# Altium PCB edison_breakout3.PcbDoc (part 1 of 3) (continued)
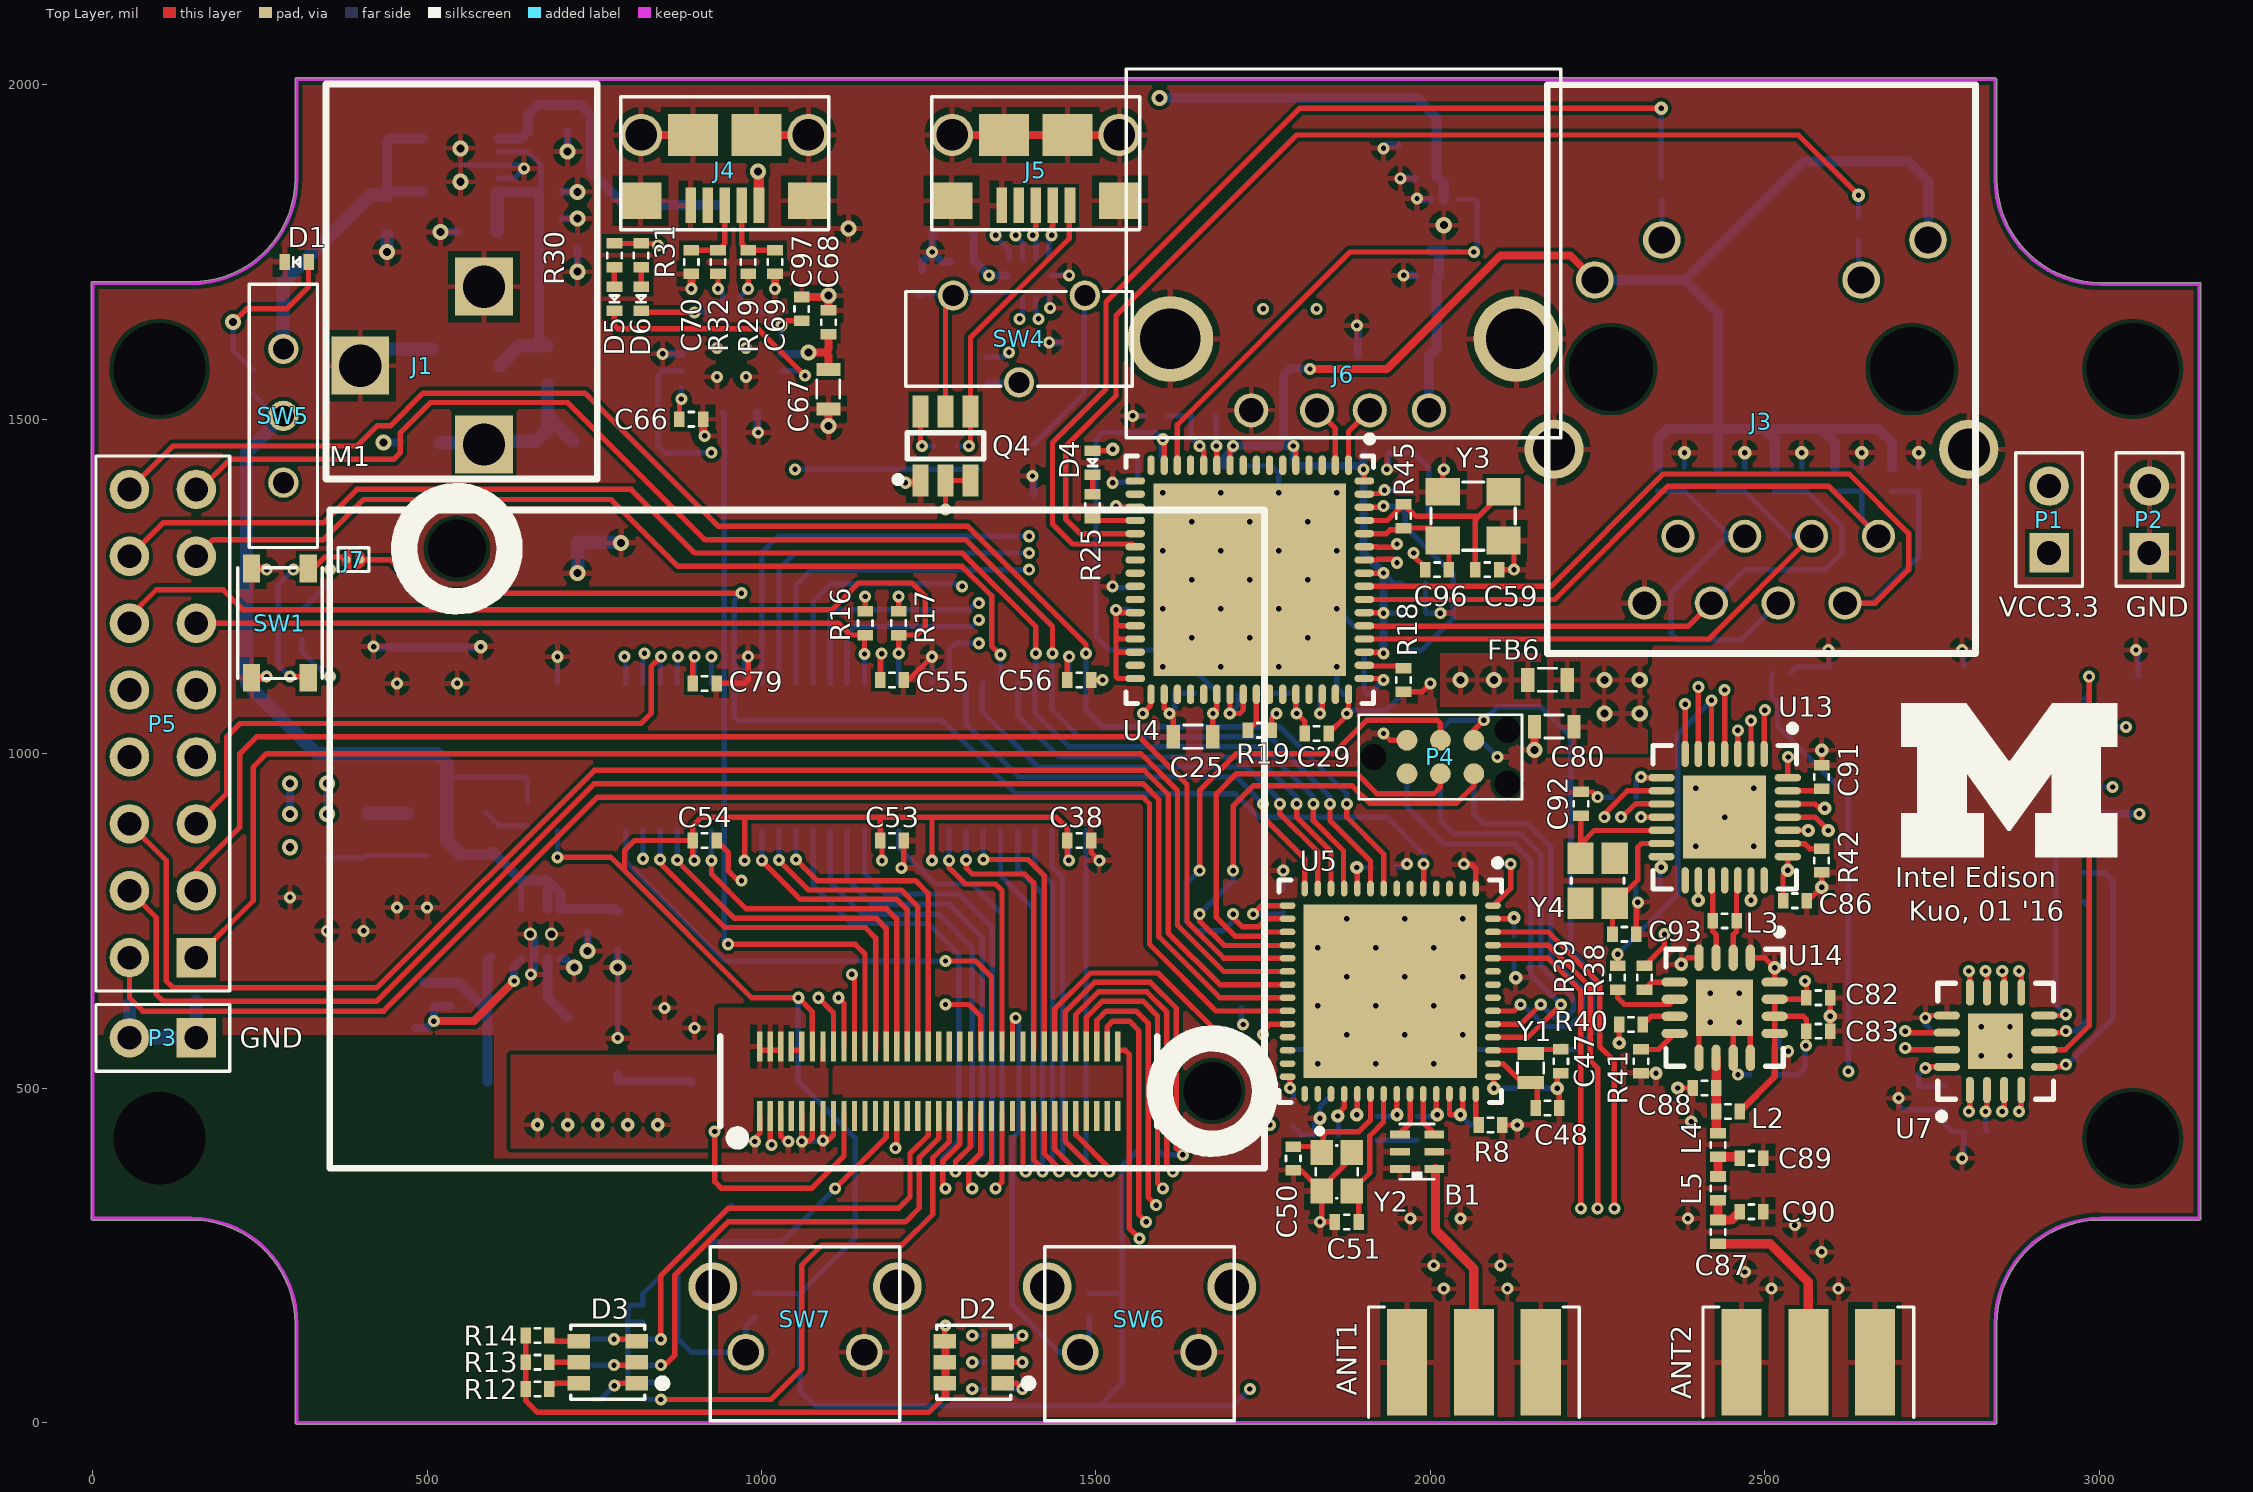
[diagram p0: Top Layer view]
## Components (designator, comment, footprint, x,y, rotation, side; value= is the part's Value field where it differs from the comment) (continued)
C79 "Ceramic capacitor" 0402 915,1105 r0 top
C80 "Ceramic capacitor" 0603 2185,1040 r180 top
C81 "Ceramic capacitor" 0402 2290,935 r180 bottom
C82 "Ceramic capacitor" 0402 2580,635 r0 top
C83 "Ceramic capacitor" 0402 2580,585 r0 top
C84 "Ceramic capacitor" 0402 2495,520 r180 bottom
C85 "Ceramic capacitor" 0402 2325,800 r180 bottom
C86 "Ceramic capacitor" 0402 2545,780 r0 top
C87 "Ceramic capacitor" 0402 2430,285 r270 top
C88 "Ceramic capacitor" 0402 2410,500 r180 top
C89 "Ceramic capacitor" 0402 2480,395 r0 top
C90 "Ceramic capacitor" 0402 2480,315 r0 top
C91 "Ceramic capacitor" 0402 2585,965 r90 top
C92 "Ceramic capacitor" 0402 2225,925 r90 top
C93 "Ceramic capacitor" 0402 2290,730 r0 top
C94 "Ceramic capacitor" 0603 350,815 r270 bottom
C95 "Ceramic capacitor" 0402 500,830 r270 bottom
C96 "Ceramic capacitor" 0402 2010,1275 r180 top
C97 "Ceramic capacitor" 0402 1060,1665 r90 top
D1 "LED, Blue" "0402 - DIODE" 305,1735 r180 top
D2 "CLY6D-FKC" PLCC6 1317.28,90 r180 top
D3 "CLY6D-FKC" PLCC6 770,90 r180 top
D4 "LED, Orange" "0402 - DIODE" 1495,1435 r270 top
D5 "LED, Green" "0402 - DIODE" 780,1680 r270 top
D6 "LED, Red" "0402 - DIODE" 820,1680 r270 top
D7 "D_SMAZ5V6-13-F" SMAZ5V1 725,1395 r90 bottom
FB1 "Ferrite Bead" 0603 620,510 r180 bottom
FB2 "Ferrite Bead" 0603 680,1580 r270 bottom
FB3 "Ferrite Bead" 0603 1790,1605 r90 bottom
FB4 "Ferrite Bead" 0603 1965,1125 r90 bottom
FB5 "Ferrite Bead" 0603 965,1820 r0 bottom
FB6 "Ferrite Bead" 0603 2175,1110 r180 top
J1 "PJ-102AH" PJ-102AH 585,1580 r0 top
J2 "2201778-1" 2201778-1 2950,930 r270 bottom
J3 "J0011D01BNL" J0011D01BNL 2495,1575 r0 top locked
J4 "micro USB-B" "MICRO USB-B" 945,1925 r180 top
J5 "micro USB-B" "MICRO USB-B" 1410,1925 r180 top
J6 "USB-A" 292303-2 1870,1620 r180 top locked
J7 "Solder Bridge" SOLDERBRIDGE 390,1290 r180 top
L1 "Chip inductor" 1210 650,610 r180 bottom
L2 "Chip inductor" 0402 2445,465 r180 top
L3 "Chip inductor" 0402 2440,750 r180 top
L4 "Chip inductor" 0402 2430,415 r90 top
L5 "Chip inductor" 0402 2430,350 r90 top
M1 "Intel Edison" "INTEL EDISON MATING" 1265,510 r0 top locked
P1 "1 x 2 header" "1x2 header" 2925,1350 r90 top
P2 "1 x 2 header" "1x2 header" 3075,1350 r90 top
P3 "1 x 2 header" "1x2 header" 105,575 r180 top
P4 "TC2030" TC2030-IDC-NLFP 2015,995 r0 top locked
P5 "2 x 8 header" "2x8 header" 105,1045 r90 top
P6 "TC2030" TC2030-IDC-NLFP 2015,995 r0 bottom
Q1 "DMN32D2LDF" SOT-353-5 785,60 r90 bottom
Q2 "DMN32D2LDF" SOT-353-5 785,150 r90 bottom
Q3 "Si2312CDS" SOT23-3 1365,1425 r180 bottom
Q4 "Si3865DDV" TSOT-23 1275,1460 r90 top
R1 "Chip resistor" 0402 240,1555 r90 bottom
R2 "Chip resistor" 0402 535,640 r270 bottom
R3 "Chip resistor" 0402 465,590 r180 bottom
R4 "Chip resistor" 0402 1350,50 r180 bottom
R5 "Chip resistor" 0402 1350,90 r180 bottom
R6 "Chip resistor" 0402 1350,130 r0 bottom
R7 "Chip resistor" 0402 1790,535 r90 bottom
R8 "Chip resistor" 0402 2090,444.8 r0 top
R9 "Chip resistor" 0402 990,175 r270 bottom
R10 "Chip resistor" 0402 1490,175 r270 bottom
R11 "Chip resistor" 0402 295,1215 r180 bottom
R12 "Chip resistor" 0402 665,50 r180 top
R13 "Chip resistor" 0402 665,90 r180 top
R14 "Chip resistor" 0402 665,130 r180 top
R15 "Chip resistor" 0402 295,1170 r180 bottom
R16 "Chip resistor" 0402 1155,1195 r270 top
R17 "Chip resistor" 0402 1205,1195 r270 top
R18 "Chip resistor" 0402 1960,1110 r90 top
R19 "Chip resistor" 0402 1745,1035 r180 top
R20 "Chip resistor" 0402 2605,1410 r270 bottom
R21 "Chip resistor" 0402 2690,1410 r270 bottom
R22 "Chip resistor" 0402 2430,1410 r270 bottom
R23 "Chip resistor" 0402 2515,1410 r270 bottom
R24 "Chip resistor" 0402 2340,1410 r270 bottom
R25 "Chip resistor" 0402 1495,1370 r270 top
R26 "Chip resistor" 0402 1660,1505 r180 bottom
R27 "Chip resistor" 0402 2640,1785 r270 bottom
R28 "Chip resistor" 0402 2345,1845 r270 bottom
R29 "Chip resistor" 0402 980,1735 r270 top
R30 "Chip resistor" 0402 780,1745 r90 top
R31 "Chip resistor" 0402 820,1745 r90 top
R32 "Chip resistor" 0402 935,1735 r270 top
R33 "Chip resistor" 0402 1465,1615 r180 bottom
R34 "Chip resistor" 0402 1335,1575 r90 bottom
R35 "Chip resistor" 0402 1275,1460 r0 bottom
R36 "Chip resistor" 0402 1240,1705 r90 bottom
R37 "Chip resistor" 0402 1980,1400 r0 bottom
R38 "Chip resistor" 0402 2320,665 r270 top
R39 "Chip resistor" 0402 2280,665 r270 top
R40 "Chip resistor" 0402 2300,595 r0 top
R41 "Chip resistor" 0402 2315,540 r270 top
R42 "Chip resistor" 0402 2585,840 r270 top
R43 "Chip resistor" 0402 650,910 r270 bottom
R44 "Chip resistor" 0402 685,1840 r0 bottom
R45 "Chip resistor" 0402 1960,1355 r270 top
R46 "Chip resistor" 0402 1578,405 r0 bottom
SW1 "PTS810" PTS810 280,1195 r270 top
SW4 "CL-SB-12C" CL-SB-12C 1385,1620 r0 top
SW5 "450301014042" 450301014042 285,1505 r90 top
SW6 "1825027-8" 1825027-8 1565,105 r0 top locked
SW7 "1825027-8" 1825027-8 1065,105 r0 top locked
U1 "LTC4413" DFN-10 550,1880 r180 bottom
U2 "TPS62065" PWSON-8 670,730 r90 bottom
U3 "LP3874" SOT150P700X180-5N 500,1035 r90 bottom
U4 "LAN9512" QFN-64 1730,1260 r270 top locked
U5 "CC2538" QFN56 1940,644.8 r270 top
U6 "TXS0108E-Q1" TSSOP-20 1090,995 r90 bottom
U7 "MAX13035E" TQFN-16 2845,570 r90 top
U8 "TXS0108E-Q1" TSSOP-20 1370,995 r90 bottom
U9 "IC_FT230XQ-R" QFN-16 955,1585 r0 bottom
U10 "TS3USB221" PUQFN-10 1400,1715 r0 bottom
U11 "AP2151" U-DFN2018-6 2020,1790 r0 bottom
U12 "TXS0108E-Q1" TSSOP-20 810,995 r90 bottom
U13 "CC2520" QFN-28 2440,905 r270 top
U14 "CC2592" QFN-16 2440,620 r270 top
Y1 "ABS05" ABS05 2150,529.8 r90 top
Y2 "FA-128" FA-128 1860,374.8 r270 top
Y3 "ABM8-25.000MHZ-B2-T" ABM8 2063.86,1355 r0 top
Y4 "NX2520SA-32.000000MHZ" NX2520SA 2250,810 r270 top

## Footprints (in the part's own frame and the unit in brackets; to place one, negate y for a bottom-side part, rotate by r counter-clockwise, add the part's x,y. Pads: shape width x height; smd on the part's side, far side on the other; paste and mask are expansions set on the pad)
"1x2 header" [mm] "1x2 header, 100 mils"
  rect 1.5x1.5 hole 0.9: 1(-1.27,0)
  round 1.5 hole 0.9: 2(1.27,0)
  silkscreen extent -2.54,-1.27 2.54,1.27, body extent -2.53,-1.26 2.53,1.26, height 8.38
"2x8 header" [mm] "2x8 header, 100 mils"
  rect 1.5x1.5 hole 0.9: 1(-8.89,-1.27)
  round 1.5 hole 0.9: 2(-8.89,1.27) 3(-6.35,-1.27) 4(-6.35,1.27) 5(-3.81,-1.27) 6(-3.81,1.27) 7(-1.27,-1.27) 8(-1.27,1.27) 9(1.27,-1.27) 10(1.27,1.27) 11(3.81,-1.27) 12(3.81,1.27) 13(6.35,-1.27) 14(6.35,1.27) 15(8.89,-1.27) 16(8.89,1.27)
  silkscreen extent -10.16,-2.54 10.16,2.54, body extent -10.16,-2.54 10.16,2.54, height 8.38
0402 [mm] "2-Leads, Body 1.00x0.50mm, IPC Medium Density"
  rect 0.4x0.6 smd: 1(-0.45,0) 2(0.45,0)
  silkscreen extent -0.1,-0.28 0.1,0.28, body extent -0.53,-0.28 0.53,0.27, height 0.4
"0402 - DIODE" [mm] "2-Leads, Body 1.00x0.50mm, IPC Medium Density"
  rect 0.4x0.6 smd: 1(-0.45,0) 2(0.45,0)
  silkscreen extent -0.13,-0.18 0.13,0.18, body extent -0.53,-0.28 0.53,0.27, height 0.4
0603 [mm] "2-Leads, Body 1.55x0.85mm, IPC Medium Density"
  rect 0.5x0.9 smd: 1(-0.75,0) 2(0.75,0)
  silkscreen extent -0.35,-0.45 0.35,0.43, body extent -0.75,-0.42 0.75,0.43, height 0.5
"0603 - Polar Marking" [mm] "2-Leads, Body 1.55x0.85mm, IPC Medium Density"
  rect 0.5x0.9 smd: 1(-0.75,0) 2(0.75,0)
  silkscreen extent -1.14,-0.51 0.35,0.51, body extent -0.75,-0.42 0.75,0.43, height 0.5
"1206 - POLAR MARKING" [mm]
  rect 1.1x1.7 smd: 1(-1.35,0) 2(1.35,0)
  silkscreen extent -2.07,-0.9 0.4,0.91, body extent -1.7,-0.9 1.7,0.9, height 1.3
1210 [mm]
  rect 1.25x2.8 smd: 1(1.525,-0.102) 2(-1.525,-0.102)
  silkscreen extent -0.5,-1.4 0.5,1.2, body extent -1.8,-1.5 1.8,1.3, height 2.8
2450BM15A0002 [mm] "Chip Array, Flat, 6-Leads, Pitch 0.65mm,  Body 2.00x1.25mm,  IPC Medium Density"
  rect 0.75x0.3 smd: 1(-0.65,0.65) 2(-0.65,0) 3(-0.65,-0.65) 4(0.65,-0.65) 5(0.65,0) 6(0.65,0.65)
  silkscreen extent -0.65,-1.05 0.65,1.05, body extent -0.67,-1.05 0.67,1.05, height 0.81
292303-2 [mm] "USB 2.0 Type A, 4 position receptacle"
  round 1.3 hole 0.92: 1(-3.25,2.71) 2(-1,2.71) 3(1,2.71) 4(3.5,2.71)
  round 3.25 hole 2.3: 5(-6.57,0) 6(6.57,0)
  silkscreen extent -8.25,-10.25 8.25,3.75, body extent -8.12,-10.25 8.12,3.75, height 7.12
1825027-8 [mm] "SWITCH TACTILE SPST-NO 0.05A 24V"
  round 1.4 hole 0.99: 1(-2.25,0) 2(2.25,0)
  round 1.85 hole 1.3: ""(-3.505,2.49) ""(3.505,2.49)
  silkscreen extent -3.6,-2.6 3.6,4, body extent -4.2,-5.85 4.2,3.99, height 7
2201778-1 [mm] "Micro SD Slot"
  rect 0.8x1.4 smd: 1(3.85,-0.7) 2(2.75,-0.7) 3(1.65,-0.7) 4(0.55,-0.7) 5(-0.55,-0.7) 6(-1.65,-0.7) 7(-2.75,-0.7) 8(-3.85,-0.7)
  rect 1.15x0.45 smd: 9(-4.815,11.125)
  rect 1.1x0.45 smd: 10(-4.84,10.465)
  rect 1.35x1.8 smd: 11(-4.74,-2.75)
  rect 0.65x2.14 smd: 12(-5.065,3.88)
  rect 0.65x1.6 smd: 13(-5.065,8.96)
  rect 0.65x1.3 smd: 14(8.835,10.9)
  rect 0.6x1.15 smd: 15(8.86,4.975)
  rect 1.16x1.5 smd: 16(8.58,-3)
  silkscreen extent -5.18,-4.95 8.86,11.25, body extent -5.17,-4.95 8.86,11.25, height 1.85
450301014042 [mm] "SPDT switch"
  round 1.15 hole 0.8: 1(0,0) 2(-2.54,0) 3(2.54,0)
  silkscreen extent -5,-1.3 5,1.3, body extent -5,-1.25 5,1.25, height 6.4
ABM8 [mm]
  rect 1.3x1.05 smd: 1(-1.15,-0.925) 2(1.15,-0.925) 3(1.15,0.925) 4(-1.15,0.925)
  silkscreen extent -1.6,-1.3 1.6,1.3, body extent -1.6,-1.3 1.6,1.3, height 0.65
ABS05 [mm] "ABS05 Crystal"
  rect 0.5x1 smd: 1(-0.55,0) 2(0.55,0)
  silkscreen extent -0.2,-0.5 0.2,0.5, body extent -0.8,-0.5 0.8,0.5, height 0.5
CL-SB-12C [mm] "SPST Slide though hole slide switch"
  round 1.15 hole 0.8: 1(-2.5,1.65) 2(2.5,1.65) C(0,-1.65)
  silkscreen extent -4.3,-1.8 4.3,1.8, body extent -4.3,-1.8 4.3,1.8, height 5.5
CONSMA003.062 [mm]
  rect 4.06x1.52 smd: 1(0,2.54) 1(0,-2.54) 2(0,0)
  rect 4.06x1.52 smd far side: 1(0,2.54) 1(0,-2.54)
  silkscreen extent -2.1,-4 2.1,4, body extent -2.06,-3.96 9.55,3.97, height 4.63
DFN-10 [mm] "QFN, 10-Leads, Body 3.00x3.00mm, Pitch 0.50mm, Thermal Pad 1.65x2.38mm, IPC Medium Density"
  oval 0.7x0.25 smd: 1(-1.425,1) 2(-1.425,0.5) 3(-1.425,0) 4(-1.425,-0.5) 5(-1.425,-1) 6(1.425,-1) 7(1.425,-0.5) 8(1.425,0) 9(1.425,0.5) 10(1.425,1)
  rect 1.65x2.38 smd: 11(0,0)
  silkscreen extent -1.8,-1.7 1.7,2.05, body extent -1.55,-1.55 1.55,1.55, height 0.75
FA-128 [mm] "Seiko Epson FA-128 Crystal"
  rect 0.95x0.85 smd: 1(-0.725,-0.575) 2(0.725,-0.575) 3(0.725,0.575) 4(-0.725,0.575)
  silkscreen extent -1.63,-0.8 1,0.8, body extent -1,-0.8 1,0.8, height 0.5
"INTEL EDISON MATING" [mm] "DF40 Series 0.4 mm Pitch, 3.0 Height, Board-to-Board connectors"
  rect 0.2x1.14 smd: 1(-6.8,-1.32) 2(-6.8,1.32) 3(-6.4,-1.32) 4(-6.4,1.32) 5(-6,-1.32) 6(-6,1.32) 7(-5.6,-1.32) 8(-5.6,1.32) 9(-5.2,-1.32) 10(-5.2,1.32) 11(-4.8,-1.32) 12(-4.8,1.32) 13(-4.4,-1.32) 14(-4.4,1.32) 15(-4,-1.32) 16(-4,1.32) 17(-3.6,-1.32) 18(-3.6,1.32) 19(-3.2,-1.32) 20(-3.2,1.32) 21(-2.8,-1.32) 22(-2.8,1.32) 23(-2.4,-1.32) 24(-2.4,1.32) 25(-2,-1.32) 26(-2,1.32) 27(-1.6,-1.32) 28(-1.6,1.32) 29(-1.2,-1.32) 30(-1.2,1.32) 31(-0.8,-1.32) 32(-0.8,1.32) 33(-0.4,-1.32) 34(-0.4,1.32) 35(0,-1.32) 36(0,1.32) 37(0.4,-1.32) 38(0.4,1.32) 39(0.8,-1.32) 40(0.8,1.32) 41(1.2,-1.32) 42(1.2,1.32) 43(1.6,-1.32) 44(1.6,1.32) 45(2,-1.32) 46(2,1.32) 47(2.4,-1.32) 48(2.4,1.32) 49(2.8,-1.32) 50(2.8,1.32) 51(3.2,-1.32) 52(3.2,1.32) 53(3.6,-1.32) 54(3.6,1.32) 55(4,-1.32) 56(4,1.32) 57(4.4,-1.32) 58(4.4,1.32) 59(4.8,-1.32) 60(4.8,1.32) 61(5.2,-1.32) 62(5.2,1.32) 63(5.6,-1.32) 64(5.6,1.32) 65(6,-1.32) 66(6,1.32) 67(6.4,-1.32) 68(6.4,1.32) 69(6.8,-1.32) 70(6.8,1.32)
  round 0 hole 2.2: ""(-18.3,20.23) ""(10.39,-0.37)
  silkscreen extent -23.13,-3.3 12.39,22.23, body extent -23.13,-3.38 12.43,21.7, height 5.31
J0011D01BNL [mm] "Pulse Electronic RJ45 Jack"
  round 1.26 hole 0.9: 1(4.445,-6.35) 2(3.175,-8.89) 3(1.905,-6.35) 4(0.635,-8.89) 5(-0.635,-6.35) 6(-1.905,-8.89) 7(-3.175,-6.35) 8(-4.445,-8.89)
  round 1.43 hole 1.02: 9(6.325,4.9) 10(3.785,3.38) 11(-3.785,4.9) 12(-6.325,3.38)
  round 2.25 hole 1.6: 13(7.875,-3.05) 14(-7.875,-3.05)
  round 0 hole 3.2: ""(-5.715,0) ""(5.715,0)
  silkscreen extent -8.13,-10.8 8.13,10.79, body extent -8.32,-10.55 8.28,10.8, height 13.57
"MICRO USB-B" [mm]
  rect 0.4x1.35 smd mask+0.1: 1(-1.3,2.675) 2(-0.65,2.675) 3(0,2.675) 4(0.65,2.675) 5(1.3,2.675)
  rect 1.6x1.4 smd mask+0.1: 6(-3.2,2.5) 6(3.2,2.5)
  round 1.6 hole 1.2: 6(-3.175,0) 6(3.175,0)
  rect 1.9x1.6 smd mask+0.1: 6(-1.2,0) 6(1.2,0)
  silkscreen extent -3.95,-1.45 3.95,3.6, body extent -3.93,-2.8 3.93,2.86, height 2.85
NX2520SA [mm] "NDK Crystal"
  rect 1.2x1 smd: 1(-0.85,-0.65) 2(0.85,-0.65) 3(0.85,0.65) 4(-0.85,0.65)
  silkscreen extent -0.1,-1 0.1,1, body extent -1.3,-1 1.3,1, height 0.65
PJ-102AH [mm] "Power Jack"
  rect 2.2x2.2 hole 1.6: 1(0,-3) 2(0,3) 3(-4.7,0)
  silkscreen extent -6,-4.3 4.3,10.7, body extent -5.75,-3.99 4.08,10.89, height 10
PLCC6 [mm] "CREE PLCC6 LED"
  rect 0.85x0.55 smd: 1(-1.1,0.8) 2(-1.1,0) 3(-1.1,-0.8) 4(1.1,-0.8) 5(1.1,0) 6(1.1,0.8)
  silkscreen extent -2.22,-1.4 1.4,1.4, body extent -1.7,-1.4 1.7,1.4, height 1.85
PTS810 [mm] "C & K PTS 810 Microminiature SMT"
  rect 1.05x0.65 smd: 1(-2.075,1.075) 2(2.075,1.075) 3(-2.075,-1.075) 4(2.075,-1.075)
  silkscreen extent -2.1,-1.6 2.1,1.6, body extent -2.1,-1.6 2.1,1.6, height 4.1
PUQFN-10 [mm]
  rect 0.3x0.58 smd: 1(-0.75,-0.635) 2(-0.25,-0.635) 3(0.25,-0.635) 4(0.75,-0.635) 6(0.75,0.635) 7(0.25,0.635) 8(-0.25,0.635) 9(-0.75,0.635)
  rect 0.63x0.35 smd: 5(0.86,0) 10(-0.86,0)
  silkscreen extent -1.28,-0.87 1,0.87, body extent -1,-0.75 1,0.75, height 0.6
PWSON-8 [mm] "PSON, 8-Leads, Body 2.00x2.00mm, Pitch 0.50mm, Thermal Pad 1.60x0.82mm, IPC Medium Density"
  rect 0.5x0.28 smd: 1(-0.95,0.75) 2(-0.95,0.25) 3(-0.95,-0.25) 4(-0.95,-0.75) 5(0.95,-0.75) 6(0.95,-0.25) 7(0.95,0.25) 8(0.95,0.75)
  round 0.5 hole 0.3: 9(0,-0.4) 9(0,0.4)
  rect 0.9x1.6 smd: 9(0,0)
  silkscreen extent -1.32,1.09 -1.22,1.19, body extent -1.05,-1.05 1.05,1.05, height 0.8
QFN56 [mm] "QFN, 56-Leads, Body 8.00x8.00mm, Pitch 0.50mm, Thermal Pad 6.60x6.60mm, IPC Medium Density"
  oval 0.6x0.25 smd: 1(-3.9,3.25) 2(-3.9,2.75) 3(-3.9,2.25) 4(-3.9,1.75) 5(-3.9,1.25) 6(-3.9,0.75) 7(-3.9,0.25) 8(-3.9,-0.25) 9(-3.9,-0.75) 10(-3.9,-1.25) 11(-3.9,-1.75) 12(-3.9,-2.25) 13(-3.9,-2.75) 14(-3.9,-3.25) 29(3.9,-3.25) 30(3.9,-2.75) 31(3.9,-2.25) 32(3.9,-1.75) 33(3.9,-1.25) 34(3.9,-0.75) 35(3.9,-0.25) 36(3.9,0.25) 37(3.9,0.75) 38(3.9,1.25) 39(3.9,1.75) 40(3.9,2.25) 41(3.9,2.75) 42(3.9,3.25)
  oval 0.25x0.6 smd: 15(-3.25,-3.9) 16(-2.75,-3.9) 17(-2.25,-3.9) 18(-1.75,-3.9) 19(-1.25,-3.9) 20(-0.75,-3.9) 21(-0.25,-3.9) 22(0.25,-3.9) 23(0.75,-3.9) 24(1.25,-3.9) 25(1.75,-3.9) 26(2.25,-3.9) 27(2.75,-3.9) 28(3.25,-3.9) 43(3.25,3.9) 44(2.75,3.9) 45(2.25,3.9) 46(1.75,3.9) 47(1.25,3.9) 48(0.75,3.9) 49(0.25,3.9) 50(-0.25,3.9) 51(-0.75,3.9) 52(-1.25,3.9) 53(-1.75,3.9) 54(-2.25,3.9) 55(-2.75,3.9) 56(-3.25,3.9)
  rect 6.6x6.6 smd: 57(0,0)
  silkscreen extent -5,-4.22 4.22,4.23, body extent -4.08,-4.07 4.07,4.08, height 1
QFN-16 [mm] "QFN, 16-Leads, Body 4.00x4.00mm, Pitch 0.65mm, Thermal Pad 2.16x2.16mm, IPC Medium Density"
  oval 1x0.35 smd: 1(-1.9,0.975) 2(-1.9,0.325) 3(-1.9,-0.325) 4(-1.9,-0.975) 9(1.9,-0.975) 10(1.9,-0.325) 11(1.9,0.325) 12(1.9,0.975)
  oval 0.35x1 smd: 5(-0.975,-1.9) 6(-0.325,-1.9) 7(0.325,-1.9) 8(0.975,-1.9) 13(0.975,1.9) 14(0.325,1.9) 15(-0.325,1.9) 16(-0.975,1.9)
  rect 2.16x2.16 smd: 17(0,0)
  silkscreen extent -3,-2.22 2.22,2.22, body extent -2.07,-2.07 2.07,2.07, height 1
QFN-28 [mm] "QFN, 28-Leads, Body 5.00x5.00mm, Pitch 0.50mm, Thermal Pad 3.15x3.15mm, IPC Medium Density"
  oval 1x0.28 smd: 1(-2.4,1.5) 2(-2.4,1) 3(-2.4,0.5) 4(-2.4,0) 5(-2.4,-0.5) 6(-2.4,-1) 7(-2.4,-1.5) 15(2.4,-1.5) 16(2.4,-1) 17(2.4,-0.5) 18(2.4,0) 19(2.4,0.5) 20(2.4,1) 21(2.4,1.5)
  oval 0.28x1 smd: 8(-1.5,-2.4) 9(-1,-2.4) 10(-0.5,-2.4) 11(0,-2.4) 12(0.5,-2.4) 13(1,-2.4) 14(1.5,-2.4) 22(1.5,2.4) 23(1,2.4) 24(0.5,2.4) 25(0,2.4) 26(-0.5,2.4) 27(-1,2.4) 28(-1.5,2.4)
  rect 3.15x3.15 smd: 29(0,0)
  silkscreen extent -3.5,-2.73 2.73,2.72, body extent -2.57,-2.58 2.58,2.57, height 1
QFN-64 [mm] "QFN, 64-Leads, Body 9.00x9.00mm, Pitch 0.50mm, Thermal Pad 7.30x7.30mm, IPC Medium Density"
  oval 0.75x0.28 smd: 1(-4.35,3.75) 2(-4.35,3.25) 3(-4.35,2.75) 4(-4.35,2.25) 5(-4.35,1.75) 6(-4.35,1.25) 7(-4.35,0.75) 8(-4.35,0.25) 9(-4.35,-0.25) 10(-4.35,-0.75) 11(-4.35,-1.25) 12(-4.35,-1.75) 13(-4.35,-2.25) 14(-4.35,-2.75) 15(-4.35,-3.25) 16(-4.35,-3.75) 33(4.35,-3.75) 34(4.35,-3.25) 35(4.35,-2.75) 36(4.35,-2.25) 37(4.35,-1.75) 38(4.35,-1.25) 39(4.35,-0.75) 40(4.35,-0.25) 41(4.35,0.25) 42(4.35,0.75) 43(4.35,1.25) 44(4.35,1.75) 45(4.35,2.25) 46(4.35,2.75) 47(4.35,3.25) 48(4.35,3.75)
  oval 0.28x0.75 smd: 17(-3.75,-4.35) 18(-3.25,-4.35) 19(-2.75,-4.35) 20(-2.25,-4.35) 21(-1.75,-4.35) 22(-1.25,-4.35) 23(-0.75,-4.35) 24(-0.25,-4.35) 25(0.25,-4.35) 26(0.75,-4.35) 27(1.25,-4.35) 28(1.75,-4.35) 29(2.25,-4.35) 30(2.75,-4.35) 31(3.25,-4.35) 32(3.75,-4.35) 49(3.75,4.35) 50(3.25,4.35) 51(2.75,4.35) 52(2.25,4.35) 53(1.75,4.35) 54(1.25,4.35) 55(0.75,4.35) 56(0.25,4.35) 57(-0.25,4.35) 58(-0.75,4.35) 59(-1.25,4.35) 60(-1.75,4.35) 61(-2.25,4.35) 62(-2.75,4.35) 63(-3.25,4.35) 64(-3.75,4.35)
  rect 7.3x7.3 smd: 65(0,0)
  silkscreen extent -5.47,-4.7 4.7,4.7, body extent -4.55,-4.55 4.55,4.55, height 1
SMAZ5V1 [mm]
  rect 1.7x2.5 smd: 1(-2,0) 2(2,0)
  silkscreen extent -2.3,-1.45 3,1.45, body extent -2.3,-1.45 2.3,1.45, height 2.3
SOLDERBRIDGE [mm]
  round 0.3 smd: 1(-0.263,0) 2(0.263,0)
  Top Layer region: -0.088,-0.375 -0.251,-0.338 -0.381,-0.234 -0.453,-0.083 -0.453,0.083 -0.381,0.234 -0.251,0.338 -0.088,0.375 -0.088,0.375
  Top Layer region: 0.09,0.375 0.253,0.338 0.383,0.234 0.456,0.083 0.456,-0.083 0.383,-0.234 0.253,-0.338 0.09,-0.375 0.09,-0.375
  silkscreen extent -0.59,-0.45 0.59,0.45
SOT23-3 [mm] "SOT23, 3-Leads, Body 2.9x1.3mm, Pitch 0.95mm, Lead Span 2.3mm, IPC Medium Density"
  rect 1.3x0.6 smd: 1(-1.05,0.95) 2(-1.05,-0.95) 3(1.05,0)
  silkscreen extent -1.18,-1.5 0.7,1.92, body extent -0.7,-1.5 0.7,1.5, height 1.2
SOT150P700X180-5N [mm] "SOT223, 5-Leads, Body 6.50x7.00mm (avg), Pitch 1.50mm, IPC Medium Density"
  rect 1.5x1 smd: 1(-3.15,2.25) 2(-3.15,0.75) 3(-3.15,-0.75) 4(-3.15,-2.25)
  rect 1.5x3.3 smd: 5(3.15,0)
  silkscreen extent -3.05,-3.35 1.55,3.38, body extent -1.85,-3.35 1.85,3.35, height 1.8
SOT-353-5 [mm]
  rect 0.42x0.6 smd: 1(-0.65,-0.95) 2(0.65,-0.95) 3(0.65,0.95) 4(0,0.95) 5(-0.65,0.95)
  silkscreen extent -1.3,-1 1,0.6, body extent -1,-0.6 1,0.6, height 1
TC2030-IDC-NLFP [mil]
  round 31 smd paste-196.85: 1(-50,-25) 2(-50,25) 3(0,-25) 4(0,25) 5(50,-25) 6(50,25)
  round 0 hole 39 unplated: ""(-100,0) ""(100,-40) ""(100,40)
  Top Layer pour cut-out: -50,25 -50,-25 50,-25 50,25
  silkscreen extent -122,-63 122,63
TQFN-16 [mm] "QFN, 16-Leads, Body 4.00x4.00mm, Pitch 0.65mm, Thermal Pad 2.10x2.10mm, IPC Medium Density"
  oval 1x0.3 smd: 1(-1.85,0.975) 2(-1.85,0.325) 3(-1.85,-0.325) 4(-1.85,-0.975) 9(1.85,-0.975) 10(1.85,-0.325) 11(1.85,0.325) 12(1.85,0.975)
  oval 0.3x1 smd: 5(-0.975,-1.85) 6(-0.325,-1.85) 7(0.325,-1.85) 8(0.975,-1.85) 13(0.975,1.85) 14(0.325,1.85) 15(-0.325,1.85) 16(-0.975,1.85)
  rect 2.1x2.1 smd: 17(0,0)
  silkscreen extent -2.97,-2.2 2.2,2.2, body extent -2.05,-2.05 2.05,2.05, height 0.9
TSOT-23 [mm] "SOT23, 6-Leads, Body 2.90x2.45mm, Pitch 0.95mm, IPC Medium Density"
  rect 1.22x0.62 smd: 1(-1.31,0.95) 2(-1.31,0) 3(-1.31,-0.95) 4(1.31,-0.95) 5(1.31,0) 6(1.31,0.95)
  silkscreen extent -1.4,-1.45 0.5,1.92, body extent -0.88,-1.45 0.87,1.45, height 1
TSSOP-20 [mm] "TSOP, 20-Leads, Body 6.50x4.40mm, Pitch 0.65mm, IPC Medium Density"
  oval 1.55x0.3 smd: 1(-2.8,2.925) 2(-2.8,2.275) 3(-2.8,1.625) 4(-2.8,0.975) 5(-2.8,0.325) 6(-2.8,-0.325) 7(-2.8,-0.975) 8(-2.8,-1.625) 9(-2.8,-2.275) 10(-2.8,-2.925) 11(2.8,-2.925) 12(2.8,-2.275) 13(2.8,-1.625) 14(2.8,-0.975) 15(2.8,-0.325) 16(2.8,0.325) 17(2.8,0.975) 18(2.8,1.625) 19(2.8,2.275) 20(2.8,2.925)
  silkscreen extent -3.07,-3.3 1.85,3.83, body extent -2.25,-3.3 2.25,3.3, height 1.2
U-DFN2018-6 [mm]
  rect 0.25x0.35 smd: 1(-0.5,-0.975) 2(0,-0.975) 3(0.5,-0.975) 4(0.5,0.975) 5(0,0.975) 6(-0.5,0.975)
  rect 1.6x1.2 smd: 7(0,0)
  silkscreen extent -1.4,-1 1,1, body extent -1,-1 1,1, height 0.6